# Allegro board ultrasound_tnr_1000a_01_20171121.brd (continued)
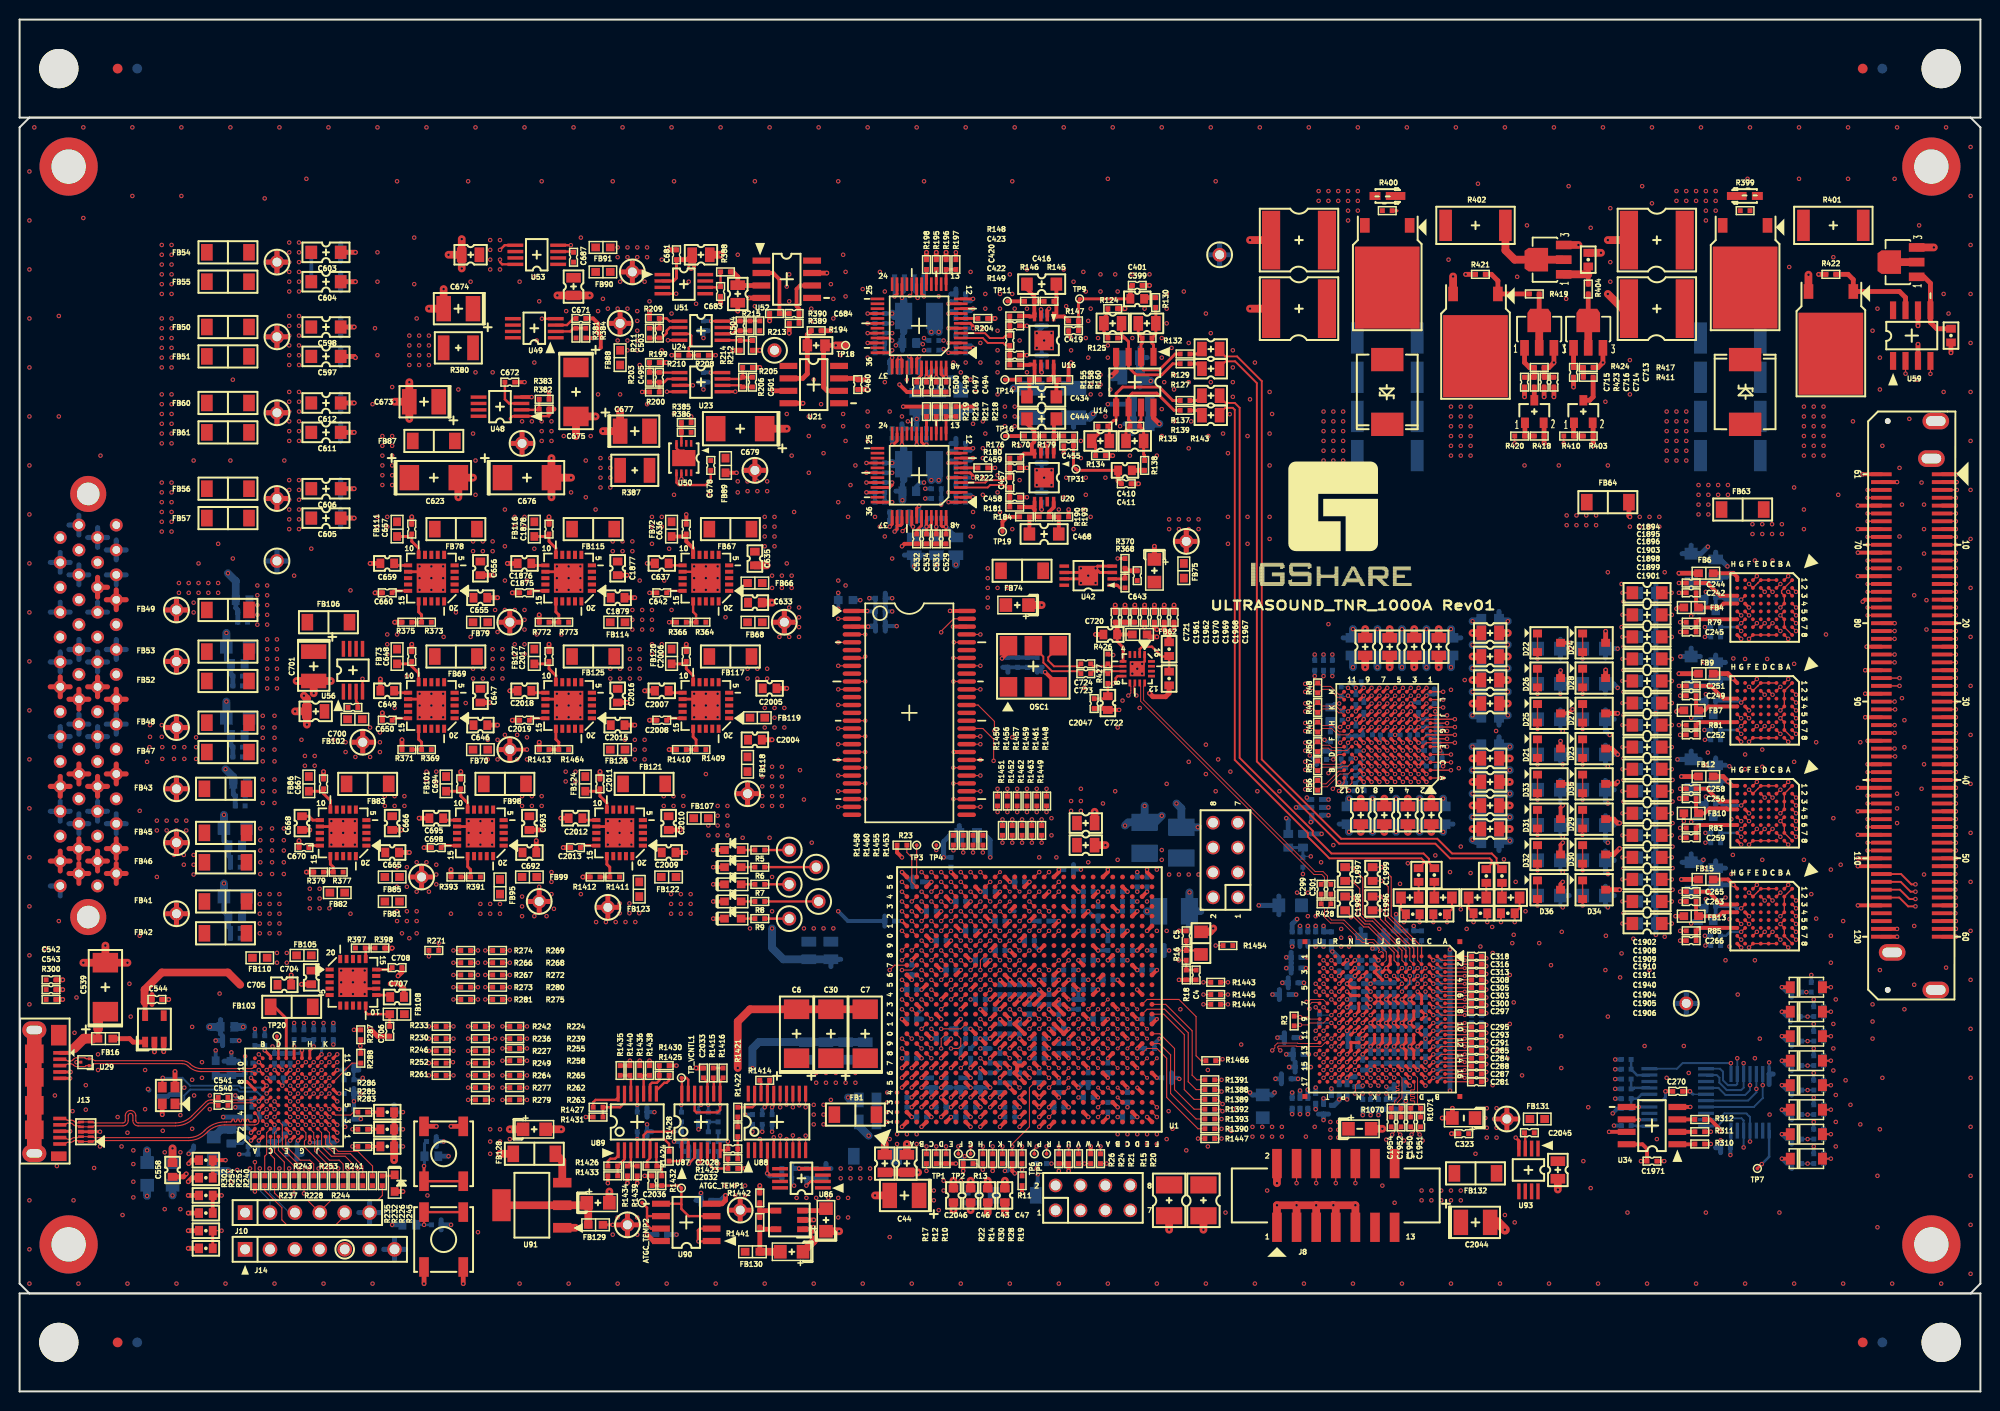
[diagram p0: board, top side]
## Nets (continued)
N07073: Q7.2 R405.1 R406.1 R407.1 R408.1
N07077: Q7.1 R422.2 U59.7
N07349: D17.1 Q2.1 R400.1 R402.2
N07605: Q3.2 Q3.4 R401.1
N07651: Q3.1 R409.2 U59.5
N07654: C500.1 U22.43
N07756: R195.2 U22.15
N07778: R204.2 U22.8
N07818: C504.1 R215.1 U24.6
N08266: C501.1 R206.1 U23.6
N26253: C724.1 R426.1 U60.6
N26342: C723.1 R427.1 U60.7
N34473: C720.1 C721.1 C1961.1 C1962.1 FB62.2 U60.5
N127245: C678.1 C679.2 FB89.1 R386.1 U50.1 U50.2
N127281: C677.2 R387.1 U50.4 U50.7 U50.8 U50.9
N127313: C678.2 U50.5
N127331: R385.1 R386.2 U50.3
N127351: C674.1 R380.1 U49.5 U49.8
N127405: C671.1 U49.3
N127413: C671.2 C675.1 FB88.1 R381.2 U49.1
N127425: R381.1 R384.2 U49.2
N128389: C673.1 FB87.2 U48.5 U48.8
N128425: C672.1 U48.3
N128433: R382.1 R383.2 U48.2
N128755: C684.2 R389.2 U52.6
N128759: C683.1 R388.2 U51.6
N128767: C684.1 R390.2 U52.2
N128835: C682.1 R388.1 U52.3
N129457: C687.2 U53.3
N129465: C685.1 C687.1 FB90.1 U53.1 U53.2
N269503: FB74.2 U42.5 U42.8
N269749: C643.2 R368.1 R370.2 U42.2
N269757: C643.1 C645.2 FB75.1 R368.2 U42.1
N272947: C45.1 FB3.2 U1.N6
N277246: R369.1 R371.2 U43.16
N277301: C646.1 FB70.1 R369.2 U43.1 U43.18 U43.19 U43.20
N277515: C650.1 U43.15
N278109: C649.1 U43.11
N279560: FB69.2 U43.5 U43.6 U43.7 U43.8
N281196: C648.1 FB73.2 U43.10
N292688: C633.1 FB66.1 FB68.1 R364.2 U40.1 U40.18 U40.19 U40.20
N292794: R364.1 R366.2 U40.16
N292870: C642.1 U40.15
N292942: C637.1 U40.11
N292988: FB67.2 U40.5 U40.6 U40.7 U40.8
N293056: C636.1 FB72.2 U40.10
N296288: C655.1 FB79.1 R373.2 U45.1 U45.18 U45.19 U45.20
N296332: R373.1 R375.2 U45.16
N296466: C660.1 U45.15
N296530: C659.1 U45.11
N296576: FB78.2 U45.5 U45.6 U45.7 U45.8
N296652: C657.1 FB111.2 U45.10
N298322: FB83.2 U47.5 U47.6 U47.7 U47.8
N298342: C665.1 FB81.1 FB82.1 FB85.1 R377.2 U47.1 U47.18 U47.19 U47.20
N298386: R377.1 R379.2 U47.16
N298520: C670.1 U47.15
N298584: C668.1 U47.11
N298698: C667.1 FB86.2 U47.10
N302991: C722.1 C2047.1 R426.2 R427.2 U60.8
N307729: C700.2 U56.3
N307737: C699.1 C700.1 FB102.1 U56.1 U56.2
N307869: FB106.2 U56.5 U56.8
N309216: FB98.2 U55.5 U55.6 U55.7 U55.8
N309236: C692.1 FB95.1 FB99.1 R391.2 U55.1 U55.18 U55.19 U55.20
N309276: R391.1 R393.2 U55.16
N309406: C698.1 U55.15
N309474: C695.1 U55.11
N309584: C694.1 FB101.2 U55.10
N313467: FB103.2 U58.5 U58.6 U58.7 U58.8
N313479: C704.1 FB105.1 R397.2 U58.1 U58.18 U58.19 U58.20
N313491: R397.1 R398.2 U58.16
N313621: C708.1 U58.15
N313671: C707.1 U58.11
N313799: C706.1 FB108.2 U58.10
N322654: C2040.1 FB129.1 U91.2 U91.4
N322784: FB128.2 U91.3
N323196: C2042.2 FB130.1 R1441.2 U92.5
N323232: R1441.1 R1442.2 U92.4
N330594: C2043.1 C2045.1 FB131.1 U93.1 U93.2
N330606: C2045.2 U93.3
N330656: FB132.2 U93.5 U93.8
N331944: R772.2 R773.1 U79.16
N331948: FB115.2 U79.5 U79.6 U79.7 U79.8
N331976: C1879.1 FB114.1 R773.2 U79.1 U79.18 U79.19 U79.20
N332142: C1875.1 U79.15
N332196: C1876.1 U79.11
N332292: C1878.1 FB116.2 U79.10
N340697: FB117.2 U83.5 U83.6 U83.7 U83.8
N340713: C2004.1 FB118.1 FB119.1 R1409.2 U83.1 U83.18 U83.19 U83.20
N340737: R1409.1 R1410.2 U83.16
N340867: C2008.1 U83.15
N340935: C2007.1 U83.11
N341013: C2006.1 FB120.2 U83.10
N342056: FB121.2 U84.5 U84.6 U84.7 U84.8
N342072: C2009.1 FB122.1 FB123.1 R1411.2 U84.1 U84.18 U84.19 U84.20
N342096: R1411.1 R1412.2 U84.16
N342226: C2013.1 U84.15
N342294: C2012.1 U84.11
N342372: C2011.1 FB124.2 U84.10
N344902: C2015.1 FB126.1 R1464.2 U78.1 U78.18 U78.19 U78.20
N344972: R1413.2 R1464.1 U78.16
N345064: C2019.1 U78.15
N345120: C2018.1 U78.11
N345144: FB125.2 U78.5 U78.6 U78.7 U78.8
N345246: C2017.1 FB127.2 U78.10
N538399: R1424.1 R1428.2 U89.6
N538411: R1429.2 R1437.2 U89.5
N538463: R1421.1 U88.19
N538467: R1414.1 U88.18
N538911: R1424.2 R1432.1 U89.7
N539075: R1425.1 R1430.2 U89.9
N539091: R1436.2 R1438.2 U89.10
N539123: R1425.2 U89.8
N539413: C2028.1 R1418.2 R1419.1 U87.7
N539417: R1417.1 U87.6
N539421: C2029.2 R1419.2 R1420.1
N539425: C2028.2 R1422.2 R1423.1
N539429: R1415.1 U87.9
N539441: C2029.1 R1416.2 U87.8 U87.12
N539449: C2032.1 R1423.2 U87.5
N539463: C2033.1 R1420.2 U87.10
N539483: R1417.2 R1418.1
N539499: R1415.2 R1416.1
N539729: R1426.1 R1433.2 U89.2
N539741: R1434.2 R1439.2 U89.3
N539775: R1426.2 U89.1
N540093: R1427.1 R1431.2 U89.13
N540109: R1435.2 R1440.2 U89.12
N540141: R1427.2 U89.14
N540355: R1421.2 R1422.1
N575717: R30.2 U1.M5
N638341: C416.2 R145.1 R147.2 U16.1
N638363: C434.2 R158.1 R160.2 U16.8
N638389: C434.1 R149.1 R155.1 R158.2 U16.5
N638417: C416.1 R145.2 R146.1 R148.1 U16.4
N638583: C468.1 R181.1 R184.1 R190.2 U20.5
N638773: C468.2 R190.1 R193.2 U20.8
N638995: R146.2 TP11.1
N639019: C399.1 C401.1 C419.1 R147.1 TP9.1
N639089: R192.2 R194.1 U21.2
N639341: R155.2 TP14.1
N639483: C444.2 R170.1 R179.2 U20.1
N639581: C444.1 R170.2 R176.1 R180.1 U20.4
N640393: R176.2 TP16.1
N640585: R184.2 TP19.1
N641429: C410.1 C411.1 C455.1 R179.1 TP31.1
N785360: R64.1 U3.F12
N785364: R65.1 U3.D11
N785368: R66.1 U3.D12
N1027940: C414.2 R138.1 R143.1 U14.7
N1027996: C406.2 R135.1 R137.2 U14.5
N1028026: C414.1 R139.2 R143.2 U14.6
N1028056: C406.1 R134.1 R135.2
N1028250: C410.2 R138.2
N1028254: C408.2 R137.1
N1028258: C409.2 R139.1
N1028320: C396.1 R124.1 R125.2
N1028358: C404.2 R130.1 R132.1 U14.1
N1028496: C396.2 R125.1 R127.2 U14.3
N1028564: C404.1 R129.2 R132.2 U14.2
N1028790: C399.2 R130.2
N1028812: C398.2 R127.1
N1028834: C400.2 R129.1
N1130869: TP4.1 U1.D25
N16739834: D20.2 R245.2
N16749198: C539.1 FB16.2 J13.1
N16749224: C542.1 C543.1 J13.11 J13.12 J13.13 J13.14 J13.15 J13.16 R300.2
N16749656: C541.2 U26.A6
N16749662: C540.2 U26.A5
N16765422: R311.2 U34.2
N16765442: R310.2 U34.1
N16765446: R312.2 U34.3
N16775966: Q8.2 R413.1 R414.1 R415.1 R416.1
N16775970: Q8.1 R419.1 R421.2
N16776220: Q5.3 R411.2
N16776236: Q5.1 R403.2 R410.1
N16776244: C713.2 Q6.1 R411.1 R417.2
N16776398: Q6.2 Q6.4 R404.2
N16776438: Q9.1 R418.2 R420.1
N16776460: Q9.3 R423.2
N16776468: C715.2 Q10.1 R423.1 R424.2
N16776676: Q10.2 Q10.4 R419.2
N16776792: Q4.1 R404.1 R412.2
N16776796: Q4.2 Q4.4 R402.1
N16782250: R93.2 U8.1
N16809731: R1388.1 U1.AE12
N16809739: R1389.1 U1.AF12
N16809749: R1390.1 U1.AE8
N16809882: R1391.1 U1.AF13
N16809884: R1392.1 U1.AF10
N16809886: R1393.1 U1.AF9
N16815136: R1443.2 U1.U4
N16815138: R1444.2 U1.T7
N16815140: R1445.2 U1.U6
N16815142: R1446.2 U1.U5
N16821057: R1458.1 U1.E25
N16821060: R1460.1 U1.G25
N16823620: D1.1 R5.2
N16823681: D2.1 R6.2
N16823716: D3.1 R7.2
N16823734: D4.1 R8.2
N16823777: D5.1 R9.2
N16824060: C2002.2 U11.E5
N16824067: C2003.2 U11.D5
N16824840: R1451.1 U1.H18
N16825182: R1453.1 U1.G22
N16825184: R1455.1 U1.F23
N16825809: R1447.1 U1.K15
N16833203: R1466.1 U1.AE13
N16833659: R1452.1 U1.J20
N16833941: R1456.1 U1.H19
N16834011: R1461.1 U1.K17
N16834155: R1448.1 U1.M17
N16834219: R1450.1 U1.G20
N16834323: R1449.1 U1.L18
N16834423: R1457.1 U1.J19
N16834471: R1459.1 U1.L19
N16834565: R1462.1 U1.K20
N16834626: R1463.1 U1.L20
N16834644: R1454.1 U1.K18
N16879150: C299.2 R428.2 U11.J1
N16879160: C301.2 R428.1 U11.J2
N17003588: C1994.2 R1403.2 U11.F4
N17003592: C1992.1 C1993.2 R1401.1 U11.G4
N17003686: C1990.2 R1398.2 U11.E4
N17003688: C1991.1 R1400.1
N17003690: C1990.1 C1991.2 R1398.1 U11.D3
N17003699: C1992.2 R1401.2 U11.F3
N17003703: C1994.1 C1995.2 R1403.1 U11.G3
N17003762: C1988.2 R1397.2 U11.E3
N17003764: C1989.1 R1399.1
N17003766: C1988.1 C1989.2 R1397.1 U11.D4
N17010190: C1951.1 R1071.2 U11.E16
N17010192: C1950.1 R1071.1 U11.E17
N17010194: C1954.1 R1070.2 U11.G17
N17010196: C1952.1 R1070.1 U11.G16
N17014505: C1993.1 R1402.1
N17014517: C1995.1 R1404.1
N17022342: C1999.2 R1408.2 U11.D1
N17022346: C1998.1 R1407.1 U11.G2
N17022431: C1997.2 R1406.2 U11.F2
N17022440: C1997.1 R1406.1 U11.F1
N17022453: C1998.2 R1407.2 U11.G1
N17022457: C1999.1 R1408.1 U11.D2
N17022512: C1996.2 R1405.2 U11.E2
N17022522: C1996.1 R1405.1 U11.E1
N17023500: C2000.2 U11.G5
N17023502: C2001.2 U11.F5
N17033897: C281.2 U11.A17
N17033922: C286.2 U11.C17
N17033924: C287.2 U11.A16
N17033947: C282.2 U11.C16
N17033949: C288.2 U11.A15
N17033963: C283.2 U11.C15
N17033965: C284.2 U11.A14
N17033997: C289.2 U11.C14
N17033999: C285.2 U11.A13
N17034022: C290.2 U11.C13
N17034024: C291.2 U11.A12
N17034047: C292.2 U11.C12
N17034049: C293.2 U11.A11
N17034063: C294.2 U11.C11
N17034074: C295.2 U11.A10
N17034088: C296.2 U11.C10
N17034099: C297.2 U11.A8
N17034113: C298.2 U11.C8
N17034115: C300.2 U11.A7
N17034138: C302.2 U11.C7
N17034140: C303.2 U11.A6
N17034163: C304.2 U11.C6
N17034165: C305.2 U11.A5
N17034194: C306.2 U11.C5
N17034196: C308.2 U11.A4
N17034219: C313.2 U11.A3
N17034233: C316.2 U11.A2
N17034256: C318.2 U11.A1
N17034297: C310.2 U11.C4
N17034299: C315.2 U11.C3
N17034301: C317.2 U11.C2
N17034303: C319.2 U11.C1
N17034309: C1972.2 U11.B17
N17034358: C1973.2 U11.B16
N17034384: C1976.2 U11.B15
N17034392: C1974.2 U11.B14
N17034409: C1975.2 U11.B13
N17034435: C1977.2 U11.B12
N17034443: C1978.2 U11.B11
N17034469: C1979.2 U11.B10
N17034477: C1980.2 U11.B8
N17034503: C1981.2 U11.B7
N17034511: C1982.2 U11.B6
N17034528: C1983.2 U11.B5
N17034545: C1984.2 U11.B4
N17034562: C1985.2 U11.B3
N17034588: C1986.2 U11.B2
N17034596: C1987.2 U11.B1

Pads without a net: FB91 2; J8 11 12 13 14; J12 61 62; J13 S1 S2; J17 117 118 121 122 123 124; OSC1 1 2; R30 1; R213 1; R225 1; R226 1; R228 1; R229 1; R231 1; R232 1; R234 1; R235 1; R238 1; R240 1; R241 1; R244 1; R247 1; R250 1; R253 1; R256 1; R259 1; R260 1; R1453 2; R1454 2; R1455 2; R1458 2; R1460 2; U1 A3 A4 A14 A15 AA5 AA14 AA15 AA17 AA18 AA19 AA20 AA22 AA23 AA24 AA25 AB1 AB2 AB5 AB6 AB14 AB15 AB16 AB17 AB19 AB20 AB21 AB22 AB24 AB25 AB26 AC1 AC2 AC6 AC14 AC16 AC17 AC18 AC19 AC21 AC22 AC23 AC24 AC26 AD1 AD3 AD4 AD5 AD6 AD14 AD15 AD16 AD18 AD19 AD20 AD21 AD23 AD24 AD25 AD26 AE1 AE2 AE3 AE5 AE6 AE15 AE16 AE17 AE18 AE20 AE21 AE22 AE23 AE25 AE26 AF2 AF3 AF4 AF5 AF8 AF14 AF15 AF17 AF18 AF19 AF20 AF22 AF23 AF24 AF25 B1 B2 B11 B14 B15 B24 D1 D2 D5 D6 D8 D9 D11 D13 E11 E12 E23 F1 F2 F5 F6 F8 F9 F12 F13 G9 G10 G12 H1 H2 H5 H6 H8 H9 H12 H13 H14 J8 J10 J13 K1 K2 K5 K6 K21 L23 L24 M1 M2 M16 M20 M21 M22 M24 M26 N16 N17 N19 N26 P1 P2 P16 P18 P19 P20 P25 R18 R25 T17 T18 T19 T22 T23 U1 U2 U7 U9 U16 U17 U19 U20 U21 U22 U24 U25 U26 V1 V2 V3 V4 V6 V13 V14 V16 V17 V18 V19 V21 V22 V23 V24 V26 W1 W3 W4 W5 W6 W13 W14 W15 W16 W18 W19 W20 W21 W23 W24 W25 W26 Y1 Y2 Y3 Y5 Y6 Y15 Y16 Y17 Y18 Y20 Y21 Y22 Y23 Y25 Y26; U4 C3 C4 C5 C6 D3 D4 D5 D6 E3 E4 E5 E6 F3 F4 F5 F6 G1 G2 G7 G8 H2; U5 C3 C4 C5 C6 D3 D4 D5 D6 E3 E4 E5 E6 F3 F4 F5 F6 G1 G2 G7 G8 H2; U6 C3 C4 C5 C6 D3 D4 D5 D6 E3 E4 E5 E6 F3 F4 F5 F6 G1 G2 G7 G8 H2; U7 C3 C4 C5 C6 D3 D4 D5 D6 E3 E4 E5 E6 F3 F4 F5 F6 G1 G2 G7 G8 H2; U8 3 8 13 18; U9 9 10 13; U11 A9 B9 C9 D13 D14 G13 G14 H5 H13 H14 H15 H17 J5 J13 J14 J15 J16 K4 K5 K13 K14 K15 K16 L1 L2 L4 L14 L15 M1 M2 N1 N17 P1 P17 R1 R5 R9 R13 R17 T1 T17 U1 U2 U3 U4 U14 U15 U16 U17; U16 7; U20 7; U21 1 5 8; U22 14 16 21 24 25 26 27 29 31 35; U25 14 16 21 24 25 26 27 29 31 35; U26 A11 C9 D6 D7 E10; U30 4; U31 6 9 12 14 27 28 40 41 43 46 49; U40 2 3 4 9 13 14 17; U43 2 3 4 9 13 14 17; U45 2 3 4 9 13 14 17; U47 2 3 4 9 13 14 17; U48 6 7; U49 6 7; U51 1 3 5 7 8; U52 1 5 8; U53 6 7; U55 2 3 4 9 13 14 17; U56 6 7; U58 2 3 4 9 13 14 17; U59 1 8; U60 3 4 13 14 15 16; U78 2 3 4 9 13 14 17; U79 2 3 4 9 13 14 17; U83 2 3 4 9 13 14 17; U84 2 3 4 9 13 14 17; U86 1 3 5 7 8; U88 1 2 20; U93 6 7

## Via types
v1: diameter 0.457, hole 0.25, TOP to BOTTOM, 3752 vias
v2: diameter 0.406, hole 0.2, TOP to BOTTOM, 100 vias

## Routing (per net, layer and track width the routed paths; a pad name or vN(x,y) marks a point on that pad's centre or on a via; arc(x,y) is an arc through that point)
A1V2P_USB: length 5.3
  TOP w0.3: v1(23,31.6) 23.2,31.6 U26.A7
  BOTTOM w0.3: v1(23,31.6) C555.2
  BOTTOM w0.4: C555.2 22.8,32.3 C556.2 21.55,32.25 FB84.2
A1V8P_AFE: length 16.7
  TOP w0.3: U11.L11 v1(137,36) ; U11.L7 v1(137.75,39.25) ; U11.L5 v1(137.8,40.8) ; U11.L6 v1(137.8,40) ; U11.L13 v1(137,34.4) ; U11.L12 v1(137,35.2)
  TOP w0.515: 50,77.44 TH22.1 ; TH22.1 48.94,78.5 ; TH22.1 51.06,78.5 ; TH22.1 50,79.56
  VCC2 w0.53: 48.94,78.5 TH22.1 ; TH22.1 50,77.44 ; TH22.1 50,79.56 ; TH22.1 51.06,78.5
  BOTTOM w0.4: 136.75,47.25 136.84,47.16 C325.1
  BOTTOM w0.5: C343.1 v1(137.8,40.8) ; v1(137,34.4) C322.1 ; v1(137.75,39.25) 137.7,39.2 C341.1 ; C339.1 v1(137,35.2) ; C324.1 v1(137,36) ; C340.1 v1(137.8,40)
  vias: v1(47.75,77.5) v1(48.5,79.75) v1(48.75,77.5) v1(49.5,79.75) v1(50.5,79.75) v1(51.5,79.75) v1(51.5,78.75) v1(51.5,77.75) v1(134.8,47.2) v1(134.8,46.3) v1(134.8,45.4) v1(135.6,45.4) v1(135.7,46.3)
A3V3N_PLS: length 21
  TOP w0.3: U3.J3 v1(142.7,68.6) U3.H3 ; U3.G7 v1(139.5,67.8) ; U3.G6 v1(140.3,67.8) ; U3.G8 v1(138.7,67.8) ; U3.G5 v1(141.1,67.8) ; U3.G4 v1(141.9,67.8) ; U3.J2 v1(143.5,69.4) ; U3.G3 v1(142.7,67.8)
  TOP w0.527: 117.94,86.75 TH17.1 ; TH17.1 120.06,86.75 ; TH17.1 119,87.81 ; TH17.1 119,85.69
  VCC1 w0.527: TH17.1 120.06,86.75 ; TH17.1 119,87.81 ; TH17.1 119,85.69 ; TH17.1 117.94,86.75
  BOTTOM w0.3: v1(138.7,67.8) 138,67.1 C232.1 ; C229.1 v1(143.5,69.4) ; C236.1 142.6,67.1 v1(141.9,67.8) ; C228.1 v1(142.7,68.6) C230.1 ; C227.1 v1(142.7,67.8)
  BOTTOM w0.4: C233.1 v1(133.9,73) ; C235.1 v1(133,73) ; C234.1 v1(132.1,73)
  vias: v1(117.25,89) v1(117.25,88) v1(118.25,89) v1(118.25,88) v1(119.25,89) v1(119.25,88) v1(120.25,89) v1(120.25,88)
A3V3N_VCNTL: length 16.2
  TOP w0.25: U87.11 v1(69.5,29.25) ; U89.11 v1(63,29.25)
  TOP w0.5: v1(72,20) 72,19.5 71.65,19.15 70.59,19.15 U90.4
  TOP w0.515: TH45.1 73.5,19.56 ; TH45.1 73.5,17.44 ; TH45.1 74.56,18.5 ; TH45.1 72.44,18.5
  SIG3 w0.53: 72.44,18.5 TH45.1 ; TH45.1 73.5,19.56 ; TH45.1 73.5,17.44 ; TH45.1 74.56,18.5
  BOTTOM w0.25: C2025.1 69.25,29 v1(69.5,29.25)
  BOTTOM w0.4: C2035.1 v1(63,29.25)
  BOTTOM w0.5: C2038.1 71.5,19.5 v1(72,20)
  vias: v1(72,21) v1(73,21) v1(73,20) v1(74,21) v1(74,20)
A3V3P_AFE: length 37.3
  TOP w0.3: U11.K7 v1(138.6,40) ; v1(138.6,40) U11.J6 ; v1(138.6,40) U11.K6 ; v1(138.6,40) U11.J7 ; v1(139.4,35.2) U11.H12 U11.H11 ; U11.G11 U11.G12 v1(140.2,35.2) ; v1(138.6,35.2) U11.J12 U11.J11 ; U11.F7 v1(141,40) U11.F6 ; U11.K11 U11.K12 v1(137.8,35.2) ; U11.H6 v1(139.4,40) U11.H7 ; U11.E6 v1(141.8,40) U11.E7 ; U11.G7 v1(140.2,40) U11.G6 ; U11.F14 U11.F13 v1(141,35.2) U11.F12 U11.F11 ; U11.E11 U11.E12 v1(141.8,35.2) U11.E13 U11.E14
  BOTTOM w0.3: C359.1 v1(137.8,30.4) ; C363.1 v1(137,30.4) ; C356.1 v1(139.4,30.4) ; C357.1 v1(138.6,30.4)
  BOTTOM w0.4: C330.1 140.2,30.9 ; 140.2,30.9 139.6,30.9 v1(139.4,31.1) ; 140.2,30.9 C349.1 ; C329.1 v1(140.2,40) ; C355.1 C356.1
  BOTTOM w0.5: C347.1 v1(141,35.2) C333.1 ; C332.1 v1(138.6,40) C327.1 ; C344.1 v1(141,40) ; C326.1 v1(141.8,40) C358.1 ; C350.1 v1(140.2,35.2) C354.1 ; C351.1 v1(139.4,35.2) C360.1 ; C352.1 v1(138.6,35.2) C361.1 ; C348.1 v1(141.8,35.2) C328.1 ; C331.1 v1(139.4,40) C346.1 ; C353.1 v1(137.8,35.2) C362.1 ; C345.1 v1(140.2,40)
  vias: v1(62.5,79.75) v1(62.5,78.75) v1(62.5,77.75) v1(63.5,79.75) v1(63.5,78.75) v1(63.5,77.75) v1(64.5,79.75) v1(64.5,78.75) v1(64.5,77.75) v1(133.7,27.5) v1(133.7,26.7) v1(133.7,25.9) v1(134.5,27.5) v1(134.5,26.7) v1(134.5,25.9)
A3V3P_HVMUX: length 3.3
  TOP w0.4: FB10.2 v1(169.75,58.2) ; v1(169,69.38) 169.12,69.5 FB7.2 ; FB4.2 169.12,80 v1(169,79.88) ; FB13.2 v1(168.9,48.5)
  vias: v1(76.75,83.25) v1(76.75,82) v1(77.75,83.25) v1(77.75,82) v1(78.75,83.25) v1(78.75,82)
A3V3P_PLS: length 20.3
  TOP w0.3: U3.F3 v1(142.7,66.2) ; U3.F7 v1(139.5,66.2) ; U3.E3 v1(142.7,65.4) ; U3.F5 v1(141.1,66.2) ; U3.F6 v1(140.3,66.2) ; U3.D3 v1(142.7,64.6) ; U3.F8 v1(138.7,66.2) ; U3.F4 v1(141.9,66.2) ; U3.D2 v1(143.5,64.6)
  TOP w0.527: 78,77.44 TH15.1 ; TH15.1 79.06,78.5 ; TH15.1 78,79.56 ; TH15.1 76.94,78.5
  VCC1 w0.527: 76.94,78.5 TH15.1 ; TH15.1 78,77.44 ; TH15.1 79.06,78.5 ; TH15.1 78,79.56
  BOTTOM w0.3: C216.1 v1(143.5,64.6) ; C220.1 v1(142.7,65.4) ; C218.1 141.8,66.3 v1(141.9,66.2) ; C217.1 v1(142.7,64.6) ; C215.1 138.8,66.3 v1(138.7,66.2) ; C221.1 v1(142.7,66.2)
  BOTTOM w0.5: C219.1 v1(133.5,58.8) ; C222.1 v1(133.5,60.4) ; C223.1 v1(133.5,59.6)
  vias: v1(77.5,77) v1(78.5,80) v1(78.5,77) v1(79.5,80) v1(79.5,79) v1(79.5,78) v1(79.5,77)
A3V3P_VCNTL: length 28.2
  TOP w0.25: U89.4 v1(63,25.75) ; v1(76.75,29) 76.92,29.18 U88.16 ; v1(69.25,23.25) 69.5,23.5 U87.4 ; U86.2 80.67,21.43 v1(80.25,21) ; v1(76,29) 76.28,29.27 U88.17 76.28,31.27 76.5,31.5 R1414.2
  TOP w0.3: FB129.2 v1(60.5,17)
  TOP w0.5: U90.8 64.66,15.34 v1(64,16)
  TOP w0.515: 60.94,17 TH44.1 ; TH44.1 62,18.06 ; TH44.1 62,15.94 ; TH44.1 63.06,17
  SIG4 w0.53: TH44.1 62,18.06 ; TH44.1 60.94,17 ; TH44.1 63.06,17 ; TH44.1 62,15.94
  BOTTOM w0.4: C2022.1 C2020.1 C2021.1 v1(80.25,21) ; C2027.1 75.75,28.75 v1(76,29) ; C2034.1 v1(63,25.75) ; C2030.1 v1(76.75,29) ; C2031.1 v1(74,28.25)
  BOTTOM w0.5: C2037.1 v1(64,16) ; C2023.1 v1(69.25,23.25)
  vias: v1(60.5,16) v1(61,17.75) v1(63,17.75) v1(63,16)
A3V5P:
  vias: v1(24.8,68.95) v1(24.8,67.75) v1(24.8,66.7) v1(24.8,65.5) v1(24.8,64.3) v1(26,68.95) v1(26,67.75) v1(26,66.7) v1(26,65.5) v1(26,64.3) v1(46.25,86.75) v1(46.25,85.75) v1(47.25,86.75) v1(47.25,85.75) v1(48.25,86.75) v1(48.25,85.75) v1(60.5,86.75) v1(60.5,85.75) v1(61.5,86.75) v1(61.5,85.75) v1(62.5,86.75) v1(62.5,85.75) v1(76,89.25) v1(76,88.25) v1(76,87.25) v1(76,86.25) v1(77,89.25) v1(77,88.25) v1(77,87.25) v1(77,86.25)
A3V5P_IN: length 24.7
  TOP w0.527: TH11.1 17.06,67.75 ; TH11.1 14.94,67.75 ; TH11.1 16,66.69 ; TH11.1 16,68.81
  BOTTOM w0.527: 4.14,65.81 J12.25 ; J12.25 3.13,66.83 ; J12.25 4.14,67.84 ; J12.25 5.15,66.83 ; J12.26 7.95,67.84 ; J12.26 8.96,66.83 ; J12.26 7.95,65.81 ; J12.26 6.94,66.83 ; 14.94,67.75 TH11.1 ; TH11.1 16,66.69 ; TH11.1 16,68.81 ; TH11.1 17.06,67.75 ; 5.04,68.09 J12.27 ; J12.27 6.05,69.11 ; J12.27 6.05,67.08 ; J12.27 7.06,68.09 ; 9.86,67.08 J12.28 ; J12.28 8.85,68.09 ; J12.28 10.87,68.09 ; J12.28 9.86,69.11
  vias: v1(13.25,65.75) v1(13.3,68) v1(13.3,66.8) v1(14.5,68) v1(14.5,66.8) v1(14.55,65.75) v1(14.55,64.55) v1(15.75,65.75) v1(15.75,64.55) v1(16.8,65.75) v1(16.8,64.55) v1(18,66.75) v1(18,65.75) v1(18,64.55)
A5VN_CW: length 19.9
  TOP w0.4: U16.6 104.17,104.08 v1(104.25,104) ; FB89.2 v1(73.12,93.75) ; U20.6 104.17,90.08 v1(104.25,90)
  TOP w0.5: v1(111.38,103.62) 111.84,104.09 U14.4
  TOP w0.527: TH31.1 75,95.06 ; TH31.1 76.06,94 ; TH31.1 73.94,94 ; TH31.1 75,92.94
  VCC2 w0.527: 75,92.94 TH31.1 ; TH31.1 73.94,94 ; TH31.1 75,95.06 ; TH31.1 76.06,94
  BOTTOM w0.3: v1(101.5,99.5) 101.62,99.38 C417.2
  BOTTOM w0.4: C418.1 v1(104.25,104) ; C452.1 v1(104.25,90)
  BOTTOM w0.8: v1(111.38,103.62) 111.5,103.5 C403.1 C402.1
  vias: v1(73.25,92.88) v1(73.25,91.75) v1(74.25,92.88) v1(74.25,91.88) v1(75.25,92.88) v1(75.25,91.88) v1(76.25,92.88) v1(76.25,91.88) v1(100.5,100.5) v1(100.5,99.5) v1(100.5,98.5) v1(101.5,100.5) v1(101.5,98.5)
A5VP_AFE: length 16.6
  TOP w0.3: U11.D12 v1(142.6,35.2) ; U11.D8 v1(143.4,38.4) U11.D9 ; U11.D7 U11.D6 v1(142.6,40.8) ; U11.D10 v1(142.6,36.8) U11.D11
  TOP w0.515: TH46.1 152.76,27.8 ; TH46.1 151.7,28.86 ; TH46.1 151.7,26.74 ; TH46.1 150.64,27.8
  SIG2 w0.53: TH46.1 151.7,28.86 ; TH46.1 152.76,27.8 ; TH46.1 150.64,27.8 ; TH46.1 151.7,26.74
  BOTTOM w0.3: v1(143.4,38.4) C321.1 ; v1(142.6,40.8) C336.1
  BOTTOM w0.5: v1(142.6,35.2) C320.1 ; C338.1 v1(143.4,33.6) ; v1(142.6,36.8) C337.1 ; C335.1 v1(143.4,38.4)
  vias: v1(149.5,27.9) v1(149.65,28.9) v1(149.65,26.9) v1(149.65,25.9) v1(150.4,27.8) v1(150.65,28.9) v1(150.65,26.9) v1(150.65,25.9)
A5VP_BIAS: length 8.5
  TOP w0.527: TH41.1 36.06,66.25 ; TH41.1 33.94,66.25 ; TH41.1 35,67.31 ; TH41.1 35,65.19
  SIG1 w0.527: TH41.1 36.06,66.25 ; TH41.1 35,65.19 ; TH41.1 33.94,66.25 ; TH41.1 35,67.31
  vias: v1(29.1,64.85) v1(29.1,63.85) v1(30.1,64.85) v1(30.1,63.85) v1(33.25,66.25) v1(33.25,65.25) v1(34.25,64.75) v1(35.75,67.75) v1(35.75,64.75) v1(36.5,89.25) v1(36.5,88.25) v1(36.75,67.25) v1(36.75,66.25) v1(36.75,65.25) v1(37.5,89.25) v1(37.5,88.25) v1(37.5,77.25) v1(37.5,76.25) v1(37.5,75.25) v1(38.5,77.25) v1(39,46.75) v1(39.75,46.25) v1(40.5,46.75) v1(41.5,63.25) v1(41.5,62.25) v1(42.5,63.25) v1(42.5,62.25) v1(50.5,89.25) v1(50.5,88.25) v1(50.5,76.25) v1(50.5,75.25) v1(51.5,89.25) v1(51.5,88.25) v1(51.5,76.25) v1(51.5,75.25) v1(55.7,63.25) v1(55.7,62.25) v1(56.7,63.25) v1(56.7,62.25) v1(64.5,89.25) v1(64.5,88.25) v1(64.5,76.25) v1(64.5,75.25) v1(65.5,89.25) v1(65.5,88.25) v1(65.5,76.25) v1(65.5,75.25)
A5VP_CW: length 68.1
  TOP w0.3: U25.7 96.95,93.75 97.25,93.45 v1(97.25,93.25) ; v1(97.25,108.5) 97.25,108.73 96.98,109 U22.7 ; U25.42 91.5,90.12 v1(91.75,90.38) ; U22.12 v1(97.25,111.5) ; U51.2 66.7,113.33 67,113.62 C681.1 ; U25.2 v1(97.25,91.25) ; U22.2 v1(97.25,106.5) ; v1(91.75,105.62) 91.5,105.38 U22.42 ; U25.12 v1(97.25,96.25) ; U25.10 v1(97.25,95.25) ; U22.10 v1(97.25,110.5)
  TOP w0.4: U20.3 104.17,96.33 v1(104,96.5) ; U16.3 v1(104.17,110.42)
  TOP w0.5: U52.7 v1(82.33,114.14) ; C680.1 68.1,115.5 C681.1 ; U21.7 85.36,103.39 C460.2 v1(86.5,103.25) ; v1(116.25,98.75) 115.66,99.34 U14.8
  TOP w0.527: TH30.1 61.25,110.06 ; TH30.1 60.19,109 ; TH30.1 62.31,109 ; TH30.1 61.25,107.94
  TOP w0.8: C680.1 68.6,114.85 v1(68.5,114.75)
  VCC1 w0.527: TH30.1 62.31,109 ; TH30.1 60.19,109 ; TH30.1 61.25,107.94 ; TH30.1 61.25,110.06
  BOTTOM w0.3: C514.1 92,107 v1(92.12,106.88) ; C516.1 v1(92.25,106.25) ; C515.1 92.5,107.25 v1(92.25,107.5)
  BOTTOM w0.4: v1(91.75,105.62) C485.1 C490.1 ; C526.1 C521.1 v1(91.75,90.38) ; C487.1 C482.1 97,110.25 v1(97.25,110.5) ; v1(97.25,111.5) 97,111.25 C481.1 C486.1 ; C525.1 C520.1 97,91.5 v1(97.25,91.25) ; v1(97.25,108.5) C483.1 C488.1 ; v1(92.25,92.75) 91.85,92.75 91.45,92.35 C478.1 ; v1(104.17,110.42) 104.25,110.35 C428.2 ; C489.1 C484.1 97,106.75 v1(97.25,106.5) ; C479.1 v1(92.38,91.12) ; C517.1 C522.1 97,96 v1(97.25,96.25) ; C524.1 C519.1 v1(97.25,93.25) ; v1(104,96.5) 104.25,96.25 C462.2 ; C523.1 C518.1 97,95 v1(97.25,95.25) ; C480.1 v1(92.38,92.12)
  BOTTOM w0.8: v1(116.25,98.75) C395.1 C397.1 ; v1(93.75,108.12) 93.75,109.38 93.38,109.75 C513.1 93,109.43 v1(93,108.12) ; v1(93,93) 93,94.25 93.32,94.57 C477.1 93.38,94.62 93.75,94.25 v1(93.75,93)
  vias: v1(60,110.5) v1(61,110.5) v1(61,107.25) v1(62,110.5) v1(62,107.25) v1(62,106.25) v1(63,110.25) v1(63,109.25) v1(63,108.25) v1(63,107.25) v1(63,106.25) v1(109.25,103.75) v1(109.25,102.75) v1(109.25,101.75) v1(110.25,103.75) v1(110.25,102.75) v1(110.25,101.75)
A6VN: length 3.6
  TOP w0.5: U92.2 v1(81,17.5) ; C2041.2 82.04,18.45 U92.3
  vias: v1(24.25,82.25) v1(24.25,81.25) v1(24.25,80.25) v1(24.25,79.25) v1(24.25,78.25) v1(25.25,82.25) v1(25.25,81.25) v1(25.25,80.25) v1(25.25,79.25) v1(25.25,78.25) v1(59.25,95.25) v1(59.25,94.25) v1(59.25,93.25) v1(59.25,92.25) v1(60.25,95.25) v1(60.25,94.25) v1(60.25,93.25) v1(60.25,92.25) v1(79.25,19.75) v1(80.25,19.75) v1(81.25,19.75) v1(82.5,19.75) v1(83.5,19.75) v1(83.5,17.75) v1(84.5,19.75) v1(84.5,17.75) v1(98.75,84) v1(98.75,83) v1(98.75,82) v1(98.75,81) v1(98.75,80) v1(99.75,82) v1(100.75,82)
A6VN_IN: length 24.7
  TOP w0.527: TH7.1 16,80.81 ; TH7.1 16,78.69 ; TH7.1 17.06,79.75 ; TH7.1 14.94,79.75
  BOTTOM w0.527: TH7.1 16,80.81 ; TH7.1 16,78.69 ; TH7.1 17.06,79.75 ; TH7.1 14.94,79.75 ; J12.40 9.86,76.73 ; J12.40 9.86,74.7 ; J12.40 10.87,75.72 ; J12.40 8.85,75.72 ; J12.38 7.95,75.46 ; J12.38 8.96,74.44 ; J12.38 6.94,74.44 ; J12.38 7.95,73.43 ; 6.05,74.7 J12.39 ; J12.39 5.04,75.72 ; J12.39 7.06,75.72 ; J12.39 6.05,76.73 ; 3.13,74.44 J12.37 ; J12.37 4.14,75.46 ; J12.37 4.14,73.43 ; J12.37 5.15,74.44
  vias: v1(16.25,82.5) v1(16.25,81.5) v1(17.25,82.5) v1(17.25,81.5) v1(17.75,80.5) v1(17.75,79.5) v1(18.25,82.5) v1(18.25,81.5) v1(19.25,82.5) v1(19.25,81.5) v1(20.25,82.5) v1(20.25,81.5)
A6VP: length 6.1
  TOP w0.25: 49,115.25 49.23,115.03 U53.8 ; v1(49,116.5) 49.48,116.97 U53.5
  TOP w0.8: C2039.1 v1(50,26.75) ; FB128.1 v1(49,24.25)
  vias: v1(25.25,76.75) v1(25.25,75.75) v1(25.25,74.75) v1(25.25,73.75) v1(25.25,72.75) v1(25.25,71.75) v1(26.25,76.75) v1(26.25,75.75) v1(26.25,74.75) v1(26.25,73.75) v1(26.25,72.75) v1(26.25,71.75) v1(39.75,107.75) v1(39.75,106.75) v1(39.75,105.75) v1(39.75,104.75) v1(40.75,107.75) v1(40.75,106.75) v1(40.75,105.75) v1(40.75,104.75) v1(41.75,107.75) v1(41.75,106.75) v1(41.75,105.75) v1(41.75,104.75) v1(48,117.5) v1(48,116.5) v1(48,115.5) v1(48,114.5) v1(48,26.75) v1(48,25.5) v1(48,24.25) v1(49,117.5) v1(49,115.5) v1(49,114.5) v1(49,26.75) v1(49,25.5) v1(50,25.75) v1(143,20.5) v1(143,19.5) v1(144,20.5) v1(144,19.5) v1(145,20.5) v1(145,19.5) v1(146,20.5) v1(146,19.5) v1(147,20.5) v1(147,19.5)
A6VP_IN: length 40.9
  TOP w0.527: 8.85,70.63 J12.32 ; J12.32 9.86,69.62 ; J12.32 9.86,71.65 ; J12.32 10.87,70.63 ; 14.94,74.5 TH8.1 ; TH8.1 17.06,74.5 ; TH8.1 16,75.56 ; TH8.1 16,73.44 ; J12.31 6.05,71.65 ; J12.31 7.06,70.63 ; J12.31 5.04,70.63 ; J12.31 6.05,69.62 ; J12.34 8.96,71.91 ; J12.34 6.94,71.91 ; J12.34 7.95,72.92 ; J12.34 7.95,70.89 ; 3.13,71.91 J12.33 ; J12.33 4.14,72.92 ; J12.33 4.14,70.89 ; J12.33 5.15,71.91
  SIG1 w0.527: 6.94,71.91 J12.34 ; J12.34 7.95,70.89 ; J12.34 8.96,71.91 ; J12.34 7.95,72.92 ; J12.33 5.15,71.91 ; J12.33 4.14,72.92 ; J12.33 3.13,71.91 ; J12.33 4.14,70.89 ; J12.32 9.86,71.65 ; J12.32 10.87,70.63 ; J12.32 9.86,69.62 ; J12.32 8.85,70.63 ; TH8.1 17.06,74.5 ; TH8.1 16,73.44 ; TH8.1 14.94,74.5 ; TH8.1 16,75.56 ; J12.31 6.05,71.65 ; J12.31 5.04,70.63 ; J12.31 7.06,70.63 ; J12.31 6.05,69.62
